# KiCad board panelized.kicad_pro.kicad_pcb (continued)
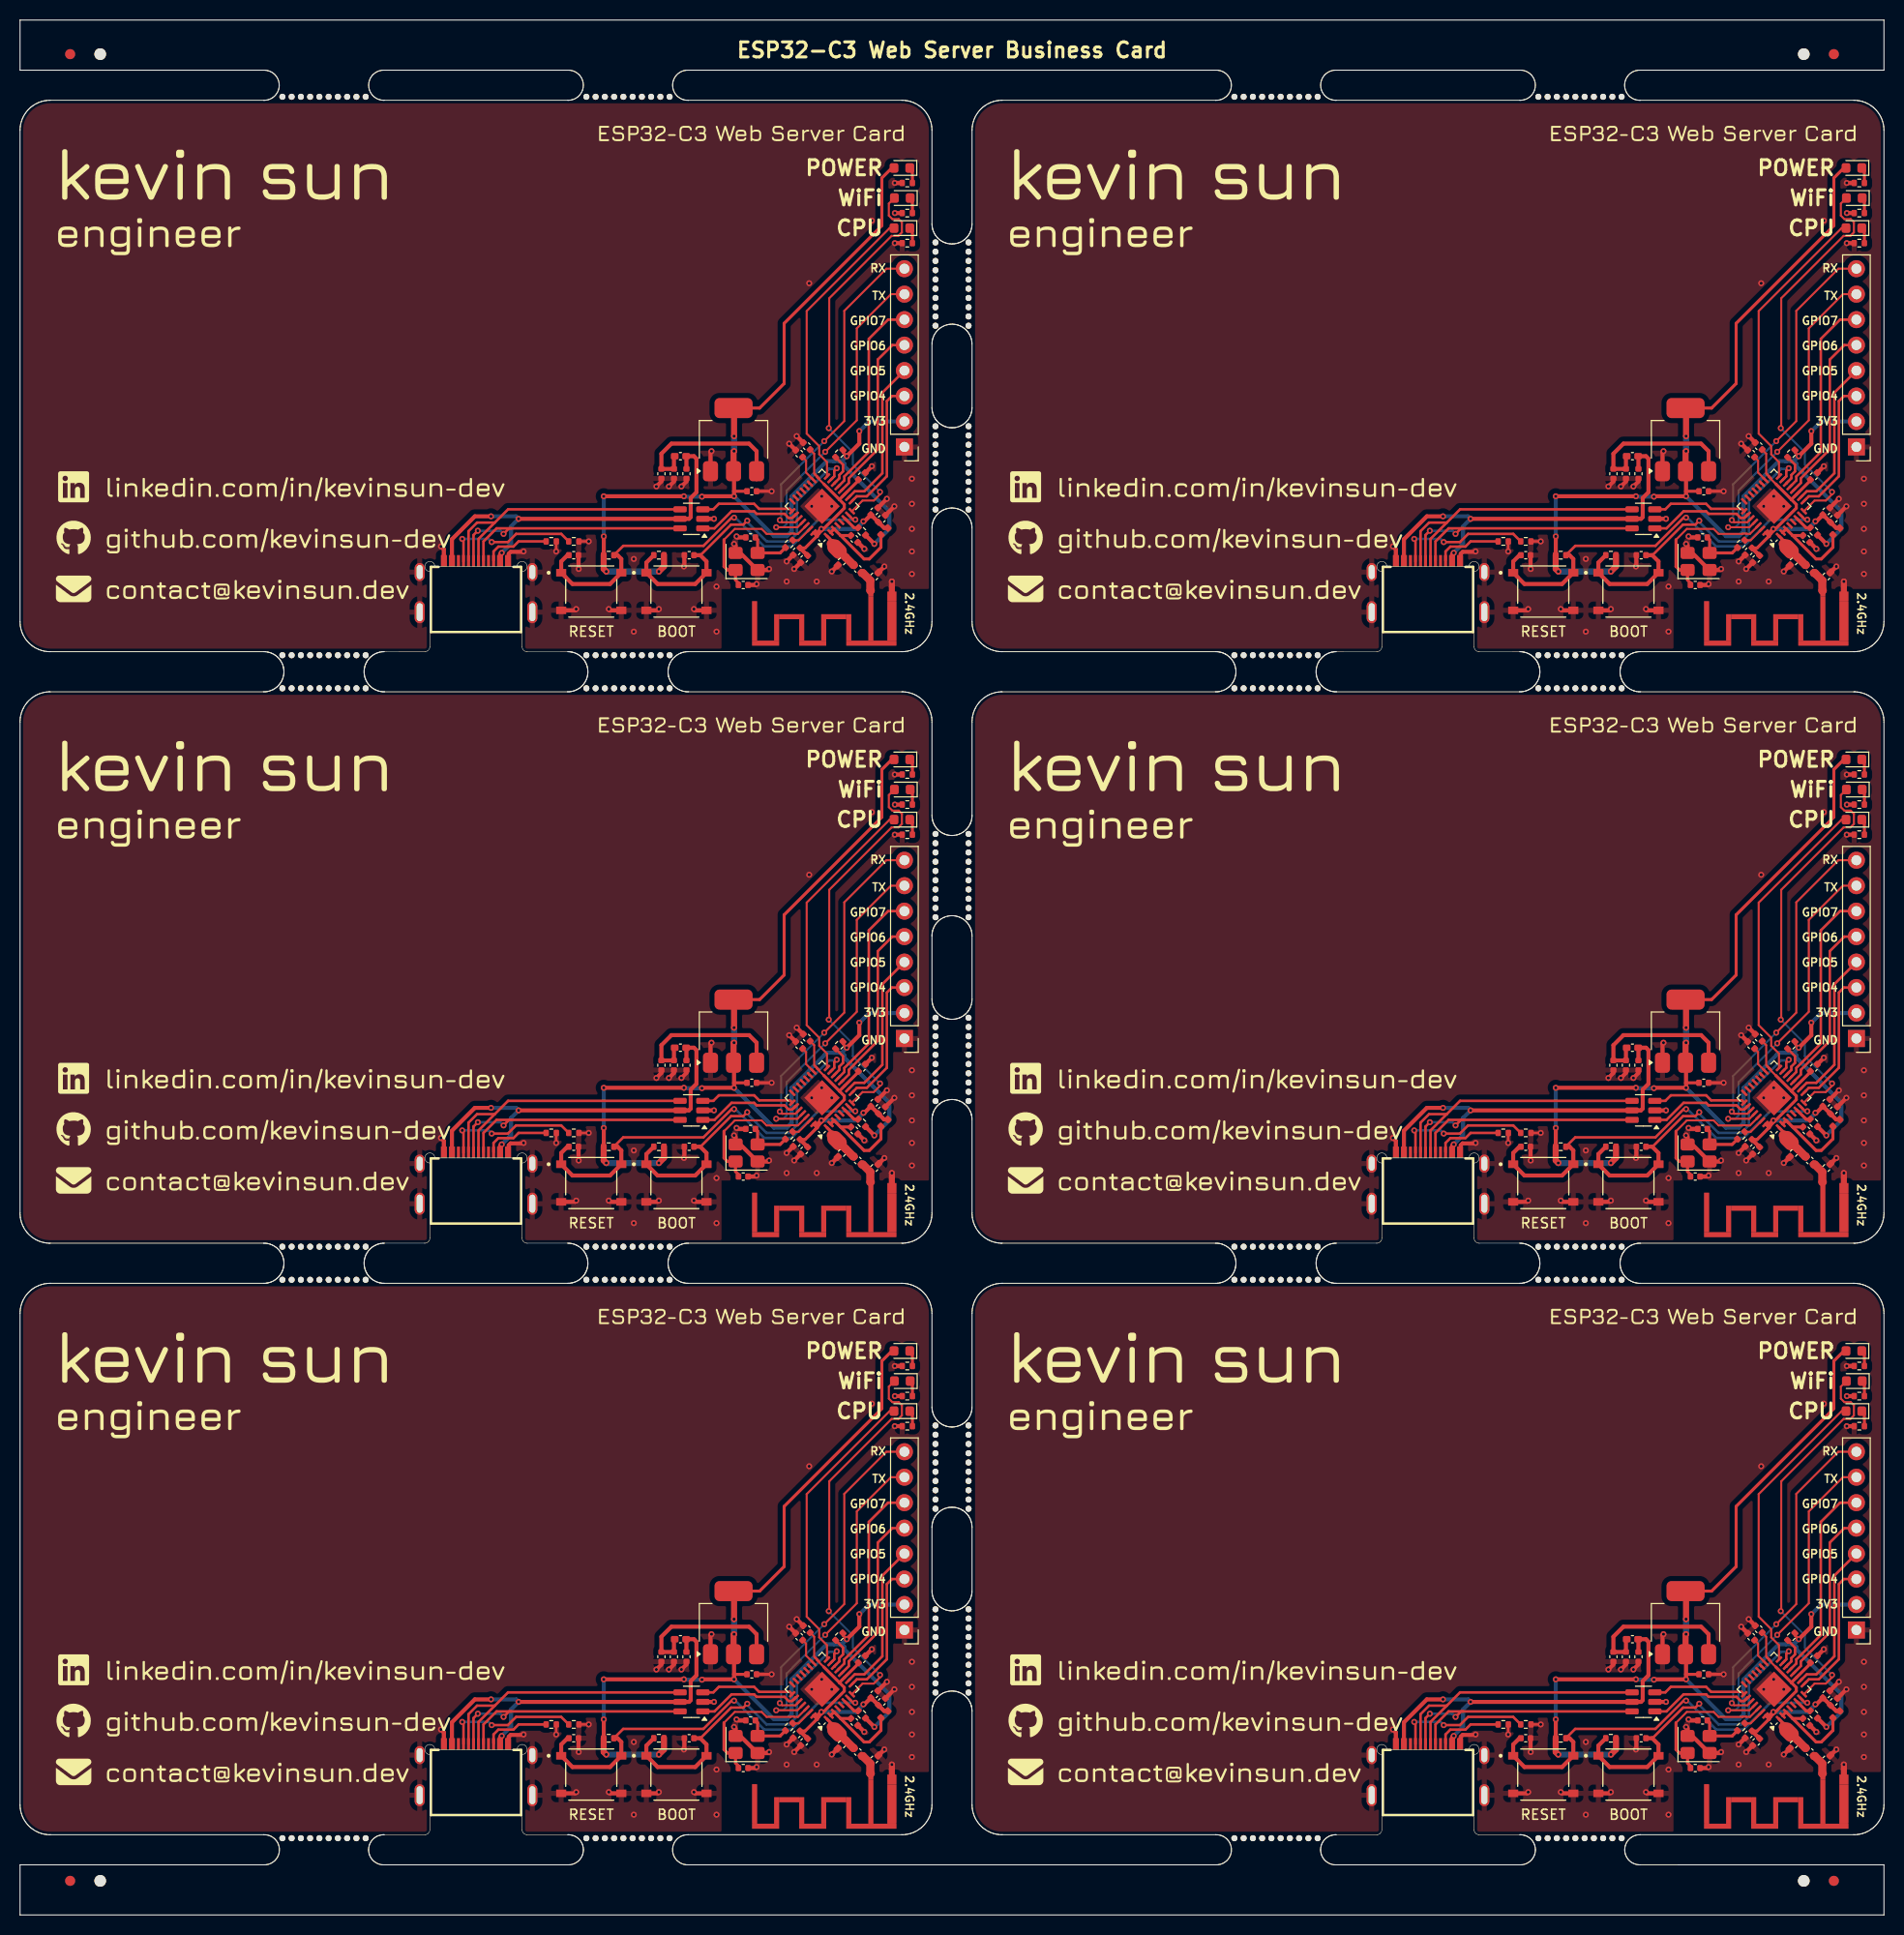
[diagram p0: board, top side]
## Placement (name value [footprint] x y rotation side) (continued)
KiKit_MB_22_8  -  [NPTH]  156.13 122.35 0 top
KiKit_MB_22_9  -  [NPTH]  157.05 122.35 0 top
KiKit_MB_22_10  -  [NPTH]  157.97 122.35 0 top
KiKit_MB_22_11  -  [NPTH]  158.9 122.35 0 top
KiKit_MB_22_12  -  [NPTH]  159.82 122.35 0 top
KiKit_MB_23_3  -  [NPTH]  129.49 66.65 0 top
KiKit_MB_23_4  -  [NPTH]  128.56 66.65 0 top
KiKit_MB_23_5  -  [NPTH]  127.64 66.65 0 top
KiKit_MB_23_6  -  [NPTH]  126.72 66.65 0 top
KiKit_MB_23_7  -  [NPTH]  125.79 66.65 0 top
KiKit_MB_23_8  -  [NPTH]  124.87 66.65 0 top
KiKit_MB_23_9  -  [NPTH]  123.95 66.65 0 top
KiKit_MB_23_10  -  [NPTH]  123.03 66.65 0 top
KiKit_MB_23_11  -  [NPTH]  122.1 66.65 0 top
KiKit_MB_23_12  -  [NPTH]  121.18 66.65 0 top
KiKit_MB_24_3  -  [NPTH]  159.82 66.65 0 top
KiKit_MB_24_4  -  [NPTH]  158.9 66.65 0 top
KiKit_MB_24_5  -  [NPTH]  157.97 66.65 0 top
KiKit_MB_24_6  -  [NPTH]  157.05 66.65 0 top
KiKit_MB_24_7  -  [NPTH]  156.13 66.65 0 top
KiKit_MB_24_8  -  [NPTH]  155.21 66.65 0 top
KiKit_MB_24_9  -  [NPTH]  154.28 66.65 0 top
KiKit_MB_24_10  -  [NPTH]  153.36 66.65 0 top
KiKit_MB_24_11  -  [NPTH]  152.44 66.65 0 top
KiKit_MB_24_12  -  [NPTH]  151.51 66.65 0 top
KiKit_MB_25_3  -  [NPTH]  91.35 48.82 0 top
KiKit_MB_25_4  -  [NPTH]  91.35 47.9 0 top
KiKit_MB_25_5  -  [NPTH]  91.35 46.98 0 top
KiKit_MB_25_6  -  [NPTH]  91.35 46.05 0 top
KiKit_MB_25_7  -  [NPTH]  91.35 45.13 0 top
KiKit_MB_25_8  -  [NPTH]  91.35 44.21 0 top
KiKit_MB_25_9  -  [NPTH]  91.35 43.28 0 top
KiKit_MB_25_10  -  [NPTH]  91.35 42.36 0 top
KiKit_MB_25_11  -  [NPTH]  91.35 41.44 0 top
KiKit_MB_25_12  -  [NPTH]  91.35 40.51 0 top
KiKit_MB_26_3  -  [NPTH]  91.35 30.49 0 top
KiKit_MB_26_4  -  [NPTH]  91.35 29.57 0 top
KiKit_MB_26_5  -  [NPTH]  91.35 28.64 0 top
KiKit_MB_26_6  -  [NPTH]  91.35 27.72 0 top
KiKit_MB_26_7  -  [NPTH]  91.35 26.8 0 top
KiKit_MB_26_8  -  [NPTH]  91.35 25.87 0 top
KiKit_MB_26_9  -  [NPTH]  91.35 24.95 0 top
KiKit_MB_26_10  -  [NPTH]  91.35 24.03 0 top
KiKit_MB_26_11  -  [NPTH]  91.35 23.1 0 top
KiKit_MB_26_12  -  [NPTH]  91.35 22.18 0 top
KiKit_MB_27_3  -  [NPTH]  26.18 63.35 0 top
KiKit_MB_27_4  -  [NPTH]  27.1 63.35 0 top
KiKit_MB_27_5  -  [NPTH]  28.03 63.35 0 top
KiKit_MB_27_6  -  [NPTH]  28.95 63.35 0 top
KiKit_MB_27_7  -  [NPTH]  29.87 63.35 0 top
KiKit_MB_27_8  -  [NPTH]  30.79 63.35 0 top
KiKit_MB_27_9  -  [NPTH]  31.72 63.35 0 top
KiKit_MB_27_10  -  [NPTH]  32.64 63.35 0 top
KiKit_MB_27_11  -  [NPTH]  33.56 63.35 0 top
KiKit_MB_27_12  -  [NPTH]  34.49 63.35 0 top
KiKit_MB_28_3  -  [NPTH]  56.51 63.35 0 top
KiKit_MB_28_4  -  [NPTH]  57.44 63.35 0 top
KiKit_MB_28_5  -  [NPTH]  58.36 63.35 0 top
KiKit_MB_28_6  -  [NPTH]  59.28 63.35 0 top
KiKit_MB_28_7  -  [NPTH]  60.21 63.35 0 top
KiKit_MB_28_8  -  [NPTH]  61.13 63.35 0 top
KiKit_MB_28_9  -  [NPTH]  62.05 63.35 0 top
KiKit_MB_28_10  -  [NPTH]  62.97 63.35 0 top
KiKit_MB_28_11  -  [NPTH]  63.9 63.35 0 top
KiKit_MB_28_12  -  [NPTH]  64.82 63.35 0 top
KiKit_MB_29_3  -  [NPTH]  34.49 7.65 0 top
KiKit_MB_29_4  -  [NPTH]  33.56 7.65 0 top
KiKit_MB_29_5  -  [NPTH]  32.64 7.65 0 top
KiKit_MB_29_6  -  [NPTH]  31.72 7.65 0 top
KiKit_MB_29_7  -  [NPTH]  30.79 7.65 0 top
KiKit_MB_29_8  -  [NPTH]  29.87 7.65 0 top
KiKit_MB_29_9  -  [NPTH]  28.95 7.65 0 top
KiKit_MB_29_10  -  [NPTH]  28.03 7.65 0 top
KiKit_MB_29_11  -  [NPTH]  27.1 7.65 0 top
KiKit_MB_29_12  -  [NPTH]  26.18 7.65 0 top
KiKit_MB_30_3  -  [NPTH]  64.82 7.65 0 top
KiKit_MB_30_4  -  [NPTH]  63.9 7.65 0 top
KiKit_MB_30_5  -  [NPTH]  62.97 7.65 0 top
KiKit_MB_30_6  -  [NPTH]  62.05 7.65 0 top
KiKit_MB_30_7  -  [NPTH]  61.13 7.65 0 top
KiKit_MB_30_8  -  [NPTH]  60.21 7.65 0 top
KiKit_MB_30_9  -  [NPTH]  59.28 7.65 0 top
KiKit_MB_30_10  -  [NPTH]  58.36 7.65 0 top
KiKit_MB_30_11  -  [NPTH]  57.44 7.65 0 top
KiKit_MB_30_12  -  [NPTH]  56.51 7.65 0 top
KiKit_MB_31_3  -  [NPTH]  94.65 40.51 0 top
KiKit_MB_31_4  -  [NPTH]  94.65 41.44 0 top
KiKit_MB_31_5  -  [NPTH]  94.65 42.36 0 top
KiKit_MB_31_6  -  [NPTH]  94.65 43.28 0 top
KiKit_MB_31_7  -  [NPTH]  94.65 44.21 0 top
KiKit_MB_31_8  -  [NPTH]  94.65 45.13 0 top
KiKit_MB_31_9  -  [NPTH]  94.65 46.05 0 top
KiKit_MB_31_10  -  [NPTH]  94.65 46.98 0 top
KiKit_MB_31_11  -  [NPTH]  94.65 47.9 0 top
KiKit_MB_31_12  -  [NPTH]  94.65 48.82 0 top
KiKit_MB_32_3  -  [NPTH]  94.65 22.18 0 top
KiKit_MB_32_4  -  [NPTH]  94.65 23.1 0 top
KiKit_MB_32_5  -  [NPTH]  94.65 24.03 0 top
KiKit_MB_32_6  -  [NPTH]  94.65 24.95 0 top
KiKit_MB_32_7  -  [NPTH]  94.65 25.87 0 top
KiKit_MB_32_8  -  [NPTH]  94.65 26.8 0 top
KiKit_MB_32_9  -  [NPTH]  94.65 27.72 0 top
KiKit_MB_32_10  -  [NPTH]  94.65 28.64 0 top
KiKit_MB_32_11  -  [NPTH]  94.65 29.57 0 top
KiKit_MB_32_12  -  [NPTH]  94.65 30.49 0 top
KiKit_MB_33_3  -  [NPTH]  121.18 63.35 0 top
KiKit_MB_33_4  -  [NPTH]  122.1 63.35 0 top
KiKit_MB_33_5  -  [NPTH]  123.03 63.35 0 top
KiKit_MB_33_6  -  [NPTH]  123.95 63.35 0 top
KiKit_MB_33_7  -  [NPTH]  124.87 63.35 0 top
KiKit_MB_33_8  -  [NPTH]  125.79 63.35 0 top
KiKit_MB_33_9  -  [NPTH]  126.72 63.35 0 top
KiKit_MB_33_10  -  [NPTH]  127.64 63.35 0 top
KiKit_MB_33_11  -  [NPTH]  128.56 63.35 0 top
KiKit_MB_33_12  -  [NPTH]  129.49 63.35 0 top
KiKit_MB_34_3  -  [NPTH]  151.51 63.35 0 top
KiKit_MB_34_4  -  [NPTH]  152.44 63.35 0 top
KiKit_MB_34_5  -  [NPTH]  153.36 63.35 0 top
KiKit_MB_34_6  -  [NPTH]  154.28 63.35 0 top
KiKit_MB_34_7  -  [NPTH]  155.21 63.35 0 top
KiKit_MB_34_8  -  [NPTH]  156.13 63.35 0 top
KiKit_MB_34_9  -  [NPTH]  157.05 63.35 0 top
KiKit_MB_34_10  -  [NPTH]  157.97 63.35 0 top
KiKit_MB_34_11  -  [NPTH]  158.9 63.35 0 top
KiKit_MB_34_12  -  [NPTH]  159.82 63.35 0 top
KiKit_MB_35_3  -  [NPTH]  129.49 7.65 0 top
KiKit_MB_35_4  -  [NPTH]  128.56 7.65 0 top
KiKit_MB_35_5  -  [NPTH]  127.64 7.65 0 top
KiKit_MB_35_6  -  [NPTH]  126.72 7.65 0 top
KiKit_MB_35_7  -  [NPTH]  125.79 7.65 0 top
KiKit_MB_35_8  -  [NPTH]  124.87 7.65 0 top
KiKit_MB_35_9  -  [NPTH]  123.95 7.65 0 top
KiKit_MB_35_10  -  [NPTH]  123.03 7.65 0 top
KiKit_MB_35_11  -  [NPTH]  122.1 7.65 0 top
KiKit_MB_35_12  -  [NPTH]  121.18 7.65 0 top
KiKit_MB_36_3  -  [NPTH]  159.82 7.65 0 top
KiKit_MB_36_4  -  [NPTH]  158.9 7.65 0 top
KiKit_MB_36_5  -  [NPTH]  157.97 7.65 0 top
KiKit_MB_36_6  -  [NPTH]  157.05 7.65 0 top
KiKit_MB_36_7  -  [NPTH]  156.13 7.65 0 top
KiKit_MB_36_8  -  [NPTH]  155.21 7.65 0 top
KiKit_MB_36_9  -  [NPTH]  154.28 7.65 0 top
KiKit_MB_36_10  -  [NPTH]  153.36 7.65 0 top
KiKit_MB_36_11  -  [NPTH]  152.44 7.65 0 top
KiKit_MB_36_12  -  [NPTH]  151.51 7.65 0 top
KiKit_TO_1  -  [NPTH#2]  8 185.6 0 top
KiKit_TO_2  -  [NPTH#2]  178 185.6 0 top
KiKit_TO_3  -  [NPTH#2]  8 3.4 0 top
KiKit_TO_4  -  [NPTH#2]  178 3.4 0 top
L1  2.4nH  [L_0402_1005Metric]  86.25 79 225 top
L1#2  2.4nH  [L_0402_1005Metric]  86.25 138 225 top
L1#3  2.4nH  [L_0402_1005Metric]  181.25 138 225 top
L1#4  2.4nH  [L_0402_1005Metric]  181.25 79 225 top
L1#5  2.4nH  [L_0402_1005Metric]  86.25 20 225 top
L1#6  2.4nH  [L_0402_1005Metric]  181.25 20 225 top
L2  2.4nH  [L_0402_1005Metric_Pad0.77x0.64mm_HandSolder]  83.6 75.25 315 top
L2#2  2.4nH  [L_0402_1005Metric_Pad0.77x0.64mm_HandSolder]  83.6 16.25 315 top
L2#3  2.4nH  [L_0402_1005Metric_Pad0.77x0.64mm_HandSolder]  83.6 134.25 315 top
L2#4  2.4nH  [L_0402_1005Metric_Pad0.77x0.64mm_HandSolder]  178.6 134.25 315 top
L2#5  2.4nH  [L_0402_1005Metric_Pad0.77x0.64mm_HandSolder]  178.6 75.25 315 top
L2#6  2.4nH  [L_0402_1005Metric_Pad0.77x0.64mm_HandSolder]  178.6 16.25 315 top
L3  2.4nH  [L_0402_1005Metric_Pad0.77x0.64mm_HandSolder]  160.9 27.5 180 top
L3#2  2.4nH  [L_0402_1005Metric_Pad0.77x0.64mm_HandSolder]  65.9 145.5 180 top
L3#3  2.4nH  [L_0402_1005Metric_Pad0.77x0.64mm_HandSolder]  65.9 86.5 180 top
L3#4  2.4nH  [L_0402_1005Metric_Pad0.77x0.64mm_HandSolder]  65.9 27.5 180 top
L3#5  2.4nH  [L_0402_1005Metric_Pad0.77x0.64mm_HandSolder]  160.9 86.5 180 top
L3#6  2.4nH  [L_0402_1005Metric_Pad0.77x0.64mm_HandSolder]  160.9 145.5 180 top
R1  5k1  [R_0402_1005Metric]  53.01 78 180 top
R1#2  5k1  [R_0402_1005Metric]  148.01 78 180 top
R1#3  5k1  [R_0402_1005Metric]  53.01 137 180 top
R1#4  5k1  [R_0402_1005Metric]  53.01 19 180 top
R1#5  5k1  [R_0402_1005Metric]  148.01 19 180 top
R1#6  5k1  [R_0402_1005Metric]  148.01 137 180 top
R2  5k1  [R_0402_1005Metric]  150.26 137 0 top
R2#2  5k1  [R_0402_1005Metric]  150.26 78 0 top
R2#3  5k1  [R_0402_1005Metric]  55.26 19 0 top
R2#4  5k1  [R_0402_1005Metric]  150.26 19 0 top
R2#5  5k1  [R_0402_1005Metric]  55.26 78 0 top
R2#6  5k1  [R_0402_1005Metric]  55.26 137 0 top
R3  5k1  [R_0402_1005Metric]  58.75 135.63 0 top
R3#2  5k1  [R_0402_1005Metric]  58.75 76.63 0 top
R3#3  5k1  [R_0402_1005Metric]  153.75 135.63 0 top
R3#4  5k1  [R_0402_1005Metric]  58.75 17.63 0 top
R3#5  5k1  [R_0402_1005Metric]  153.75 76.63 0 top
R3#6  5k1  [R_0402_1005Metric]  153.75 17.63 0 top
R4  5k1  [R_0402_1005Metric]  63.75 17.63 180 top
R4#2  5k1  [R_0402_1005Metric]  158.75 135.63 180 top
R4#3  5k1  [R_0402_1005Metric]  63.75 76.63 180 top
R4#4  5k1  [R_0402_1005Metric]  158.75 76.63 180 top
R4#5  5k1  [R_0402_1005Metric]  63.75 135.63 180 top
R4#6  5k1  [R_0402_1005Metric]  158.75 17.63 180 top
R5  1k  [R_0402_1005Metric]  76.75 77.75 225 top
R5#2  1k  [R_0402_1005Metric]  171.75 18.75 225 top
R5#3  1k  [R_0402_1005Metric]  76.75 136.75 225 top
R5#4  1k  [R_0402_1005Metric]  171.75 136.75 225 top
R5#5  1k  [R_0402_1005Metric]  171.75 77.75 225 top
R5#6  1k  [R_0402_1005Metric]  76.75 18.75 225 top
R6  5k1  [R_0402_1005Metric]  81.75 27.75 45 top
R6#2  5k1  [R_0402_1005Metric]  176.75 86.75 45 top
R6#3  5k1  [R_0402_1005Metric]  81.75 86.75 45 top
R6#4  5k1  [R_0402_1005Metric]  176.75 145.75 45 top
R6#5  5k1  [R_0402_1005Metric]  176.75 27.75 45 top
R6#6  5k1  [R_0402_1005Metric]  81.75 145.75 45 top
R7  5k1  [R_0402_1005Metric]  84 20 315 top
R7#2  5k1  [R_0402_1005Metric]  179 20 315 top
R7#3  5k1  [R_0402_1005Metric]  179 138 315 top
R7#4  5k1  [R_0402_1005Metric]  179 79 315 top
R7#5  5k1  [R_0402_1005Metric]  84 138 315 top
R7#6  5k1  [R_0402_1005Metric]  84 79 315 top
R8  1k  [R_0402_1005Metric]  183.54 113.75 180 top
R8#2  1k  [R_0402_1005Metric]  183.54 172.75 180 top
R8#3  1k  [R_0402_1005Metric]  88.54 172.75 180 top
R8#4  1k  [R_0402_1005Metric]  88.54 113.75 180 top
R8#5  1k  [R_0402_1005Metric]  183.54 54.75 180 top
R8#6  1k  [R_0402_1005Metric]  88.54 54.75 180 top
R9  1k  [R_0402_1005Metric]  88.54 51.75 180 top
R9#2  1k  [R_0402_1005Metric]  88.54 110.75 180 top
R9#3  1k  [R_0402_1005Metric]  183.54 110.75 180 top
R9#4  1k  [R_0402_1005Metric]  183.54 169.75 180 top
R9#5  1k  [R_0402_1005Metric]  183.54 51.75 180 top
R9#6  1k  [R_0402_1005Metric]  88.54 169.75 180 top
R10  1k  [R_0402_1005Metric]  183.54 48.75 180 top
R10#2  1k  [R_0402_1005Metric]  88.54 107.75 180 top
R10#3  1k  [R_0402_1005Metric]  183.54 107.75 180 top
R10#4  1k  [R_0402_1005Metric]  88.54 48.75 180 top
R10#5  1k  [R_0402_1005Metric]  88.54 166.75 180 top
R10#6  1k  [R_0402_1005Metric]  183.54 166.75 180 top
RESET  RESET  [SW_TS-1187A-B-A-B]  57 14 0 top
RESET#2  RESET  [SW_TS-1187A-B-A-B]  152 14 0 top
RESET#3  RESET  [SW_TS-1187A-B-A-B]  152 132 0 top
RESET#4  RESET  [SW_TS-1187A-B-A-B]  57 132 0 top
RESET#5  RESET  [SW_TS-1187A-B-A-B]  57 73 0 top
RESET#6  RESET  [SW_TS-1187A-B-A-B]  152 73 0 top
U1  ESP32-C3FH4  [QFN-32-1EP_5x5mm_P0.5mm_EP3.7x3.7mm]  80.03 81.51 135 top
U1#2  ESP32-C3FH4  [QFN-32-1EP_5x5mm_P0.5mm_EP3.7x3.7mm]  175.03 81.51 135 top
U1#3  ESP32-C3FH4  [QFN-32-1EP_5x5mm_P0.5mm_EP3.7x3.7mm]  80.03 22.51 135 top
U1#4  ESP32-C3FH4  [QFN-32-1EP_5x5mm_P0.5mm_EP3.7x3.7mm]  175.03 22.51 135 top
U1#5  ESP32-C3FH4  [QFN-32-1EP_5x5mm_P0.5mm_EP3.7x3.7mm]  175.03 140.51 135 top
U1#6  ESP32-C3FH4  [QFN-32-1EP_5x5mm_P0.5mm_EP3.7x3.7mm]  80.03 140.51 135 top
U3  USBLC6-2SC6  [SOT-23-6]  67 139.25 180 top
U3#2  USBLC6-2SC6  [SOT-23-6]  67 21.25 180 top
U3#3  USBLC6-2SC6  [SOT-23-6]  162 139.25 180 top
U3#4  USBLC6-2SC6  [SOT-23-6]  67 80.25 180 top
U3#5  USBLC6-2SC6  [SOT-23-6]  162 80.25 180 top
U3#6  USBLC6-2SC6  [SOT-23-6]  162 21.25 180 top
U4  AMS1117-3.3  [SOT-223-3_TabPin2]  71.2 29.15 90 top
U4#2  AMS1117-3.3  [SOT-223-3_TabPin2]  71.2 147.15 90 top
U4#3  AMS1117-3.3  [SOT-223-3_TabPin2]  166.2 88.15 90 top
U4#4  AMS1117-3.3  [SOT-223-3_TabPin2]  166.2 29.15 90 top
U4#5  AMS1117-3.3  [SOT-223-3_TabPin2]  71.2 88.15 90 top
U4#6  AMS1117-3.3  [SOT-223-3_TabPin2]  166.2 147.15 90 top
Y1  L327S400H11L  [Crystal_SMD_3225-4Pin_3.2x2.5mm]  72.5 17 0 top
Y1#2  L327S400H11L  [Crystal_SMD_3225-4Pin_3.2x2.5mm]  167.5 76 0 top
Y1#3  L327S400H11L  [Crystal_SMD_3225-4Pin_3.2x2.5mm]  72.5 76 0 top
Y1#4  L327S400H11L  [Crystal_SMD_3225-4Pin_3.2x2.5mm]  167.5 17 0 top
Y1#5  L327S400H11L  [Crystal_SMD_3225-4Pin_3.2x2.5mm]  72.5 135 0 top
Y1#6  L327S400H11L  [Crystal_SMD_3225-4Pin_3.2x2.5mm]  167.5 135 0 top

## Library data of the parts
BOOT BOOT#2-BOOT#6 RESET RESET#2-RESET#6 = -: Description: Push button switch, generic, two pins; JLCPCB: C318884
C1 C1#2-C1#6 C2 C2#2-C2#6 C5 C5#2-C5#6 C6 C6#2-C6#6 C13 C13#2-C13#6 C14 C14#2-C14#6 C17 C17#2-C17#6 C18 C18#2-C18#6 = -: Description: Unpolarized capacitor; JLCPCB: C1525
C3 C3#2-C3#6 C15 C15#2-C15#6 C16 C16#2-C16#6 = -: Description: Unpolarized capacitor; JLCPCB: C15525
C4 C4#2-C4#6 C7 C7#2-C7#6 = -: Description: Unpolarized capacitor; JLCPCB: C52923
C8 C8#2-C8#6 = -: Description: Unpolarized capacitor; JLCPCB: C15195
C11 C11#2-C11#6 C12 C12#2-C12#6 = -: Description: Unpolarized capacitor; JLCPCB: C1552
D1 D1#2-D1#6 = -: Description: Light emitting diode; Sim.Pins: 1=K 2=A; JLCPCB: C2286
D2 D2#2-D2#6 = -: Description: Light emitting diode; Sim.Pins: 1=K 2=A; JLCPCB: C2290
D3 D3#2-D3#6 = -: Description: Light emitting diode; Sim.Pins: 1=K 2=A; JLCPCB: C89811
J1 = -: Datasheet: https://item.szlcsc.com/datasheet/TYPE-C60230-511-SC16/44352731.html; Description: Connector Type:Type-C Protocol Standard:USB 3.1 Gender:Female Mounting Type:Recessed Mount Number of Contacts:16P Number of Ports:1 Current Rating-Power:5A Voltage Rating:5V Connect-Disconnect Life:10,000 Cycles Center Height:- Length:6.5mm Detection colo; Manufacturer Part: TYPE-C60230-511-SC16; Manufacturer: HMTCONN(华明通); LCSC Part Name: Type-C 母 沉板; LCSC: C42400507
J1#2-J1#6 = -: Datasheet: https://item.szlcsc.com/datasheet/TYPE-C60230-511-SC16/44352731.html; Description: Connector Type:Type-C Protocol Standard:USB 3.1 Gender:Female Mounting Type:Recessed Mount Number of Contacts:16P Number of Ports:1 Current Rating-Power:5A Voltage Rating:5V Connect-Disconnect Life:10,000 Cycles Center Height:- Length:6.5mm Detection colo; Manufacturer Part: TYPE-C60230-511-SC16; Manufacturer: HMTCONN(华明通); LCSC Part Name: Type-C 母 沉板
J2 J2#2-J2#6 = -: Description: Generic connector, single row, 01x08, script generated
L1 L1#2-L1#6 L2 L2#2-L2#6 L3 L3#2-L3#6 = -: Description: Inductor; JLCPCB: C97997
R1 R1#2-R1#6 R2 R2#2-R2#6 R3 R3#2-R3#6 R4 R4#2-R4#6 R6 R6#2-R6#6 R7 R7#2-R7#6 = -: Description: Resistor; JLCPCB: C25905
R5 R5#2-R5#6 R8 R8#2-R8#6 R9 R9#2-R9#6 R10 R10#2-R10#6 = -: JLCPCB: C11702
U1 U1#2-U1#6 = -: Datasheet: https://www.espressif.com/sites/default/files/documentation/esp32-c3_datasheet_en.pdf; Description: RF Module, ESP32 SoC, RISC-V, WiFi 802.11b/n/g, Bluetooth LE 5, QFN32; JLCPCB: C2858491
U3 U3#2-U3#6 = -: Datasheet: https://www.st.com/resource/en/datasheet/usblc6-2.pdf; Description: Very low capacitance ESD protection diode, 2 data-line, SOT-23-6; JLCPCB: C2687116
U4 U4#2-U4#6 = -: Datasheet: http://www.advanced-monolithic.com/pdf/ds1117.pdf; Description: 1A Low Dropout regulator, positive, 3.3V fixed output, SOT-223; JLCPCB: C6186
Y1 Y1#2-Y1#6 = -: Description: 40MHz Crystal Oscillator; JLCPCB: C5261245

## Footprints (pads in the part's own frame, mm; a bottom-side part is the same pattern mirrored in y, then rotated)
C_0402_1005Metric
  rrect 0.56x0.62 smd: 1(-0.48,0) 2(0.48,0)
C_0402_1005Metric_Pad0.74x0.62mm_HandSolder
  rrect 0.735x0.62 smd: 1(-0.568,0) 2(0.568,0)
Crystal_SMD_3225-4Pin_3.2x2.5mm
  rrect 1.4x1.2 smd: 1(-1.1,-0.85) 2(1.1,-0.85) 3(1.1,0.85) 4(-1.1,0.85)
Fiducial
  round 1 smd: (0,0)
L_0402_1005Metric
  rrect 0.59x0.64 smd: 1(-0.485,0) 2(0.485,0)
L_0402_1005Metric_Pad0.77x0.64mm_HandSolder
  rrect 0.765x0.64 smd: 1(-0.573,0) 2(0.573,0)
LED_0603_1608Metric
  rrect 0.875x0.95 smd: 1(-0.787,0) 2(0.787,0)
NPTH
  round 0.6 hole 0.6 unplated: (0,0)
NPTH#2
  round 1.152 hole 1.152 unplated: (0,0)
pcb-antenna
  rect 0.5x0.5 smd: 1(2.1,0)
  rect 0.9x1 smd: 2(0,0.25)
PinHeader_1x08_P2.54mm_Vertical
  rect 1.7x1.7 hole 1: 1(0,0)
  round 1.7 hole 1: 2(0,-2.54) 3(0,-5.08) 4(0,-7.62) 5(0,-10.16) 6(0,-12.7) 7(0,-15.24) 8(0,-17.78)
QFN-32-1EP_5x5mm_P0.5mm_EP3.7x3.7mm
  rrect 1.2x1.2 smd: (-0.615,-0.615) (-0.571,0.571) (0.642,0.642) (0.642,-0.642)
  rrect 0.8x0.25 smd: 1(-2.45,1.75) 2(-2.45,1.25) 3(-2.45,0.75) 4(-2.45,0.25) 5(-2.45,-0.25) 6(-2.45,-0.75) 7(-2.45,-1.25) 8(-2.45,-1.75) 17(2.45,-1.75) 18(2.45,-1.25) 19(2.45,-0.75) 20(2.45,-0.25) 21(2.45,0.25) 22(2.45,0.75) 23(2.45,1.25) 24(2.45,1.75)
  rrect 0.25x0.8 smd: 9(-1.75,-2.45) 10(-1.25,-2.45) 11(-0.75,-2.45) 12(-0.25,-2.45) 13(0.25,-2.45) 14(0.75,-2.45) 15(1.25,-2.45) 16(1.75,-2.45) 25(1.75,2.45) 26(1.25,2.45) 27(0.75,2.45) 28(0.25,2.45) 29(-0.25,2.45) 30(-0.75,2.45) 31(-1.25,2.45) 32(-1.75,2.45)
  rect 2.5x2.5 smd: 33(0,0)
R_0402_1005Metric
  rrect 0.54x0.64 smd: 1(-0.51,0) 2(0.51,0)
SOT-23-6
  rrect 1.325x0.6 smd: 1(-1.137,0.95) 2(-1.137,0) 3(-1.137,-0.95) 4(1.137,-0.95) 5(1.137,0) 6(1.137,0.95)
SOT-223-3_TabPin2
  rrect 2x1.5 smd: 1(-3.15,2.3) 2(-3.15,0) 3(-3.15,-2.3)
  rrect 2x3.8 smd: 2(3.15,0)
SW_TS-1187A-B-A-B
  rect 1x0.75 smd: 1(-3,1.875) 1(3,1.875) 2(-3,-1.875) 2(3,-1.875)
USB-C-SMD_TYPE-C60230-511-SC16
  oval 1x1.8 hole 0.6x1.4: 1(-5.62,1.44) 2(5.62,1.44)
  oval 1x2.2 hole 0.6x1.8: 3(-5.62,-2.56) 4(5.62,-2.56)
  rect 0.6x1.15 smd: A1B12(-3.2,2.56) A4B9(-2.4,2.56) B1A12(3.2,2.56) B4A9(2.4,2.56)
  rect 0.3x1.15 smd: A5(-1.25,2.56) A6(-0.25,2.56) A7(0.25,2.56) A8(1.25,2.56) B5(1.75,2.56) B6(0.75,2.56) B7(-0.75,2.56) B8(-1.75,2.56)

## Nets
Board_0-/VBUS: C13#3.1 J1#4.A4B9 J1#4.B4A9 L3#2.1 U3.5
Board_0-/VDD_SPI: C4#6.1 U1#6.18
Board_1-/VBUS: C13#4.1 J1#6.A4B9 J1#6.B4A9 L3#6.1 U3#3.5
Board_1-/VDD_SPI: C4#2.1 U1#5.18
Board_2-/VBUS: C13.1 J1.A4B9 J1.B4A9 L3#3.1 U3#4.5
Board_2-/VDD_SPI: C4#5.1 U1.18
Board_3-/VBUS: C13#6.1 J1#3.A4B9 J1#3.B4A9 L3#5.1 U3#5.5
Board_3-/VDD_SPI: C4.1 U1#2.18
Board_4-/VBUS: C13#5.1 J1#2.A4B9 J1#2.B4A9 L3#4.1 U3#2.5
Board_4-/VDD_SPI: C4#4.1 U1#3.18
Board_5-/VBUS: C13#2.1 J1#5.A4B9 J1#5.B4A9 L3.1 U3#6.5
Board_5-/VDD_SPI: C4#3.1 U1#4.18
Board_0-+3.3V: C2#5.1 C3#4.1 C5#6.1 C6#4.1 C7.1 C8#6.1 L1#2.1 U1#6.11 U1#6.17 U1#6.31 U1#6.32
Board_0-+3V3: C16.1 D1#2.2 J2#2.2 R3.1 R4#5.1 R6#6.2 R7#5.2 U4#2.2
Board_0-/BOOTSEL: BOOT.1 C18#5.1 R4#5.2 U1#6.15
Board_0-/CHIP_EN: C17#6.1 R3.2 RESET#4.1 U1#6.7
Board_0-/GP2: R7#5.1 U1#6.6
Board_0-/GP8: R6#6.1 U1#6.14
Board_0-/LED_A: D2.2 U1#6.8
Board_0-/LED_B: D3#5.2 U1#6.16
Board_0-/LNA_IN: C12#4.1 L2#3.1 U1#6.1
Board_0-/MTCK: J2#2.5 U1#6.12
Board_0-/MTDI: J2#2.4 U1#6.10
Board_0-/MTDO: J2#2.6 U1#6.13
Board_0-/MTMS: J2#2.3 U1#6.9
Board_0-/U0RXD: J2#2.8 U1#6.27
Board_0-/U0TXD: J2#2.7 U1#6.28
Board_0-/USB_DN: U1#6.25 U3.3
Board_0-/USB_DP: U1#6.26 U3.1
Board_0-/XTAL_N: C9#3.1 U1#6.29 Y1#5.1
Board_0-/XTAL_P: R5#3.1 U1#6.30
Board_0-GND: 2.4GHz#4.2 BOOT.2 C1.2 C2#5.2 C3#4.2 C4#6.2 C5#6.2 C6#4.2 C7.2 C8#6.2 C9#3.2 C10.2 C11#3.2 C12#4.2 C13#3.2 C14#4.2 C15#3.2 C16.2 C17#6.2 C18#5.2 J1#4.1 J1#4.2 J1#4.3 J1#4.4 J1#4.A1B12 J1#4.B1A12 J2#2.1 R1#3.1 R2#6.2 R8#3.2 R9#6.2 R10#5.2 RESET#4.2 U1#6.33 U3.2 U4#2.1 Y1#5.2 Y1#5.4
Board_0-Net-(AE1-FEED): 2.4GHz#4.1 C11#3.1 L2#3.2
Board_0-Net-(C1-Pad1): C1.1 L1#2.2 U1#6.2 U1#6.3
Board_0-Net-(C10-Pad1): C10.1 R5#3.2 Y1#5.3
Board_0-Net-(D1-K): D1#2.1 R8#3.1
Board_0-Net-(D2-K): D2.1 R9#6.1
Board_0-Net-(D3-K): D3#5.1 R10#5.1
Board_0-Net-(J1-CC1): J1#4.A5 R2#6.1
Board_0-Net-(J1-CC2): J1#4.B5 R1#3.2
Board_0-Net-(J1-DN1): J1#4.A7 J1#4.B7 U3.4
Board_0-Net-(J1-DP1): J1#4.A6 J1#4.B6 U3.6
Board_0-Net-(U4-VI): C14#4.1 C15#3.1 L3#2.2 U4#2.3
Board_0-unconnected-(J1-SBU1-PadA8): J1#4.A8
Board_0-unconnected-(J1-SBU2-PadB8): J1#4.B8
Board_0-unconnected-(U1-SPICLK-Pad22): U1#6.22
Board_0-unconnected-(U1-SPICS0-Pad21): U1#6.21
Board_0-unconnected-(U1-SPID-Pad23): U1#6.23
Board_0-unconnected-(U1-SPIHD-Pad19): U1#6.19
Board_0-unconnected-(U1-SPIQ-Pad24): U1#6.24
Board_0-unconnected-(U1-SPIWP-Pad20): U1#6.20
Board_0-unconnected-(U1-XTAL_32K_N-Pad5): U1#6.5
Board_0-unconnected-(U1-XTAL_32K_P-Pad4): U1#6.4
Board_1-+3.3V: C2#3.1 C3#2.1 C5#2.1 C6#5.1 C7#3.1 C8#2.1 L1#3.1 U1#5.11 U1#5.17 U1#5.31 U1#5.32
Board_1-+3V3: C16#4.1 D1.2 J2.2 R3#3.1 R4#2.1 R6#4.2 R7#3.2 U4#6.2
Board_1-/BOOTSEL: BOOT#4.1 C18#2.1 R4#2.2 U1#5.15
Board_1-/CHIP_EN: C17#5.1 R3#3.2 RESET#3.1 U1#5.7
Board_1-/GP2: R7#3.1 U1#5.6
Board_1-/GP8: R6#4.1 U1#5.14
Board_1-/LED_A: D2#6.2 U1#5.8
Board_1-/LED_B: D3#3.2 U1#5.16
Board_1-/LNA_IN: C12#3.1 L2#4.1 U1#5.1
Board_1-/MTCK: J2.5 U1#5.12
Board_1-/MTDI: J2.4 U1#5.10
Board_1-/MTDO: J2.6 U1#5.13
Board_1-/MTMS: J2.3 U1#5.9
Board_1-/U0RXD: J2.8 U1#5.27
Board_1-/U0TXD: J2.7 U1#5.28
Board_1-/USB_DN: U1#5.25 U3#3.3
Board_1-/USB_DP: U1#5.26 U3#3.1
Board_1-/XTAL_N: C9#6.1 U1#5.29 Y1#6.1
Board_1-/XTAL_P: R5#4.1 U1#5.30
Board_1-GND: 2.4GHz#3.2 BOOT#4.2 C1#2.2 C2#3.2 C3#2.2 C4#2.2 C5#2.2 C6#5.2 C7#3.2 C8#2.2 C9#6.2 C10#3.2 C11#5.2 C12#3.2 C13#4.2 C14.2 C15#4.2 C16#4.2 C17#5.2 C18#2.2 J1#6.1 J1#6.2 J1#6.3 J1#6.4 J1#6.A1B12 J1#6.B1A12 J2.1 R1#6.1 R2.2 R8#2.2 R9#4.2 R10#6.2 RESET#3.2 U1#5.33 U3#3.2 U4#6.1 Y1#6.2 Y1#6.4
Board_1-Net-(AE1-FEED): 2.4GHz#3.1 C11#5.1 L2#4.2
Board_1-Net-(C1-Pad1): C1#2.1 L1#3.2 U1#5.2 U1#5.3
Board_1-Net-(C10-Pad1): C10#3.1 R5#4.2 Y1#6.3
Board_1-Net-(D1-K): D1.1 R8#2.1
Board_1-Net-(D2-K): D2#6.1 R9#4.1
Board_1-Net-(D3-K): D3#3.1 R10#6.1
Board_1-Net-(J1-CC1): J1#6.A5 R2.1
Board_1-Net-(J1-CC2): J1#6.B5 R1#6.2
Board_1-Net-(J1-DN1): J1#6.A7 J1#6.B7 U3#3.4
Board_1-Net-(J1-DP1): J1#6.A6 J1#6.B6 U3#3.6
Board_1-Net-(U4-VI): C14.1 C15#4.1 L3#6.2 U4#6.3
Board_1-unconnected-(J1-SBU1-PadA8): J1#6.A8
Board_1-unconnected-(J1-SBU2-PadB8): J1#6.B8
Board_1-unconnected-(U1-SPICLK-Pad22): U1#5.22
Board_1-unconnected-(U1-SPICS0-Pad21): U1#5.21
Board_1-unconnected-(U1-SPID-Pad23): U1#5.23
Board_1-unconnected-(U1-SPIHD-Pad19): U1#5.19
Board_1-unconnected-(U1-SPIQ-Pad24): U1#5.24
Board_1-unconnected-(U1-SPIWP-Pad20): U1#5.20
Board_1-unconnected-(U1-XTAL_32K_N-Pad5): U1#5.5
Board_1-unconnected-(U1-XTAL_32K_P-Pad4): U1#5.4
Board_2-+3.3V: C2#6.1 C3#5.1 C5#4.1 C6#3.1 C7#5.1 C8#3.1 L1.1 U1.11 U1.17 U1.31 U1.32
Board_2-+3V3: C16#2.1 D1#3.2 J2#5.2 R3#2.1 R4#3.1 R6#3.2 R7#6.2 U4#5.2
Board_2-/BOOTSEL: BOOT#3.1 C18#3.1 R4#3.2 U1.15
Board_2-/CHIP_EN: C17#2.1 R3#2.2 RESET#5.1 U1.7
Board_2-/GP2: R7#6.1 U1.6
Board_2-/GP8: R6#3.1 U1.14
Board_2-/LED_A: D2#4.2 U1.8
Board_2-/LED_B: D3#4.2 U1.16
Board_2-/LNA_IN: C12#6.1 L2.1 U1.1
Board_2-/MTCK: J2#5.5 U1.12
Board_2-/MTDI: J2#5.4 U1.10
Board_2-/MTDO: J2#5.6 U1.13
Board_2-/MTMS: J2#5.3 U1.9
Board_2-/U0RXD: J2#5.8 U1.27
Board_2-/U0TXD: J2#5.7 U1.28
Board_2-/USB_DN: U1.25 U3#4.3
Board_2-/USB_DP: U1.26 U3#4.1
Board_2-/XTAL_N: C9#4.1 U1.29 Y1#3.1
Board_2-/XTAL_P: R5.1 U1.30
Board_2-GND: 2.4GHz.2 BOOT#3.2 C1#4.2 C2#6.2 C3#5.2 C4#5.2 C5#4.2 C6#3.2 C7#5.2 C8#3.2 C9#4.2 C10#6.2 C11#4.2 C12#6.2 C13.2 C14#6.2 C15#2.2 C16#2.2 C17#2.2 C18#3.2 J1.1 J1.2 J1.3 J1.4 J1.A1B12 J1.B1A12 J2#5.1 R1.1 R2#5.2 R8#4.2 R9#2.2 R10#2.2 RESET#5.2 U1.33 U3#4.2 U4#5.1 Y1#3.2 Y1#3.4
Board_2-Net-(AE1-FEED): 2.4GHz.1 C11#4.1 L2.2
Board_2-Net-(C1-Pad1): C1#4.1 L1.2 U1.2 U1.3
Board_2-Net-(C10-Pad1): C10#6.1 R5.2 Y1#3.3
Board_2-Net-(D1-K): D1#3.1 R8#4.1
Board_2-Net-(D2-K): D2#4.1 R9#2.1
Board_2-Net-(D3-K): D3#4.1 R10#2.1
Board_2-Net-(J1-CC1): J1.A5 R2#5.1
Board_2-Net-(J1-CC2): J1.B5 R1.2
Board_2-Net-(J1-DN1): J1.A7 J1.B7 U3#4.4
Board_2-Net-(J1-DP1): J1.A6 J1.B6 U3#4.6
Board_2-Net-(U4-VI): C14#6.1 C15#2.1 L3#3.2 U4#5.3
Board_2-unconnected-(J1-SBU1-PadA8): J1.A8
Board_2-unconnected-(J1-SBU2-PadB8): J1.B8
Board_2-unconnected-(U1-SPICLK-Pad22): U1.22
Board_2-unconnected-(U1-SPICS0-Pad21): U1.21
Board_2-unconnected-(U1-SPID-Pad23): U1.23
Board_2-unconnected-(U1-SPIHD-Pad19): U1.19
Board_2-unconnected-(U1-SPIQ-Pad24): U1.24
Board_2-unconnected-(U1-SPIWP-Pad20): U1.20
Board_2-unconnected-(U1-XTAL_32K_N-Pad5): U1.5
Board_2-unconnected-(U1-XTAL_32K_P-Pad4): U1.4
Board_3-+3.3V: C2.1 C3.1 C5#5.1 C6#6.1 C7#6.1 C8#4.1 L1#4.1 U1#2.11 U1#2.17 U1#2.31 U1#2.32
Board_3-+3V3: C16#6.1 D1#6.2 J2#4.2 R3#5.1 R4#4.1 R6#2.2 R7#4.2 U4#3.2
Board_3-/BOOTSEL: BOOT#5.1 C18#6.1 R4#4.2 U1#2.15
Board_3-/CHIP_EN: C17#4.1 R3#5.2 RESET#6.1 U1#2.7
Board_3-/GP2: R7#4.1 U1#2.6
Board_3-/GP8: R6#2.1 U1#2.14
Board_3-/LED_A: D2#5.2 U1#2.8
Board_3-/LED_B: D3.2 U1#2.16
Board_3-/LNA_IN: C12#2.1 L2#5.1 U1#2.1
Board_3-/MTCK: J2#4.5 U1#2.12
Board_3-/MTDI: J2#4.4 U1#2.10
Board_3-/MTDO: J2#4.6 U1#2.13
Board_3-/MTMS: J2#4.3 U1#2.9
Board_3-/U0RXD: J2#4.8 U1#2.27
Board_3-/U0TXD: J2#4.7 U1#2.28
Board_3-/USB_DN: U1#2.25 U3#5.3
Board_3-/USB_DP: U1#2.26 U3#5.1
Board_3-/XTAL_N: C9#2.1 U1#2.29 Y1#2.1
Board_3-/XTAL_P: R5#5.1 U1#2.30
Board_3-GND: 2.4GHz#2.2 BOOT#5.2 C1#5.2 C2.2 C3.2 C4.2 C5#5.2 C6#6.2 C7#6.2 C8#4.2 C9#2.2 C10#2.2 C11#6.2 C12#2.2 C13#6.2 C14#3.2 C15.2 C16#6.2 C17#4.2 C18#6.2 J1#3.1 J1#3.2 J1#3.3 J1#3.4 J1#3.A1B12 J1#3.B1A12 J2#4.1 R1#2.1 R2#2.2 R8.2 R9#3.2 R10#3.2 RESET#6.2 U1#2.33 U3#5.2 U4#3.1 Y1#2.2 Y1#2.4
Board_3-Net-(AE1-FEED): 2.4GHz#2.1 C11#6.1 L2#5.2
Board_3-Net-(C1-Pad1): C1#5.1 L1#4.2 U1#2.2 U1#2.3
Board_3-Net-(C10-Pad1): C10#2.1 R5#5.2 Y1#2.3
Board_3-Net-(D1-K): D1#6.1 R8.1
Board_3-Net-(D2-K): D2#5.1 R9#3.1
Board_3-Net-(D3-K): D3.1 R10#3.1
Board_3-Net-(J1-CC1): J1#3.A5 R2#2.1
Board_3-Net-(J1-CC2): J1#3.B5 R1#2.2
Board_3-Net-(J1-DN1): J1#3.A7 J1#3.B7 U3#5.4
Board_3-Net-(J1-DP1): J1#3.A6 J1#3.B6 U3#5.6
Board_3-Net-(U4-VI): C14#3.1 C15.1 L3#5.2 U4#3.3
Board_3-unconnected-(J1-SBU1-PadA8): J1#3.A8
Board_3-unconnected-(J1-SBU2-PadB8): J1#3.B8
Board_3-unconnected-(U1-SPICLK-Pad22): U1#2.22
Board_3-unconnected-(U1-SPICS0-Pad21): U1#2.21
Board_3-unconnected-(U1-SPID-Pad23): U1#2.23
Board_3-unconnected-(U1-SPIHD-Pad19): U1#2.19
Board_3-unconnected-(U1-SPIQ-Pad24): U1#2.24
Board_3-unconnected-(U1-SPIWP-Pad20): U1#2.20
Board_3-unconnected-(U1-XTAL_32K_N-Pad5): U1#2.5
Board_3-unconnected-(U1-XTAL_32K_P-Pad4): U1#2.4
Board_4-+3.3V: C2#4.1 C3#3.1 C5.1 C6.1 C7#2.1 C8.1 L1#5.1 U1#3.11 U1#3.17 U1#3.31 U1#3.32
Board_4-+3V3: C16#3.1 D1#5.2 J2#3.2 R3#4.1 R4.1 R6.2 R7.2 U4.2
Board_4-/BOOTSEL: BOOT#2.1 C18.1 R4.2 U1#3.15
Board_4-/CHIP_EN: C17.1 R3#4.2 RESET.1 U1#3.7
Board_4-/GP2: R7.1 U1#3.6
Board_4-/GP8: R6.1 U1#3.14
Board_4-/LED_A: D2#3.2 U1#3.8
Board_4-/LED_B: D3#2.2 U1#3.16
Board_4-/LNA_IN: C12#5.1 L2#2.1 U1#3.1
Board_4-/MTCK: J2#3.5 U1#3.12
Board_4-/MTDI: J2#3.4 U1#3.10
Board_4-/MTDO: J2#3.6 U1#3.13
Board_4-/MTMS: J2#3.3 U1#3.9
Board_4-/U0RXD: J2#3.8 U1#3.27
Board_4-/U0TXD: J2#3.7 U1#3.28
Board_4-/USB_DN: U1#3.25 U3#2.3
Board_4-/USB_DP: U1#3.26 U3#2.1
Board_4-/XTAL_N: C9#5.1 U1#3.29 Y1.1
Board_4-/XTAL_P: R5#6.1 U1#3.30
Board_4-GND: 2.4GHz#5.2 BOOT#2.2 C1#3.2 C2#4.2 C3#3.2 C4#4.2 C5.2 C6.2 C7#2.2 C8.2 C9#5.2 C10#4.2 C11.2 C12#5.2 C13#5.2 C14#5.2 C15#6.2 C16#3.2 C17.2 C18.2 J1#2.1 J1#2.2 J1#2.3 J1#2.4 J1#2.A1B12 J1#2.B1A12 J2#3.1 R1#4.1 R2#3.2 R8#6.2 R9.2 R10#4.2 RESET.2 U1#3.33 U3#2.2 U4.1 Y1.2 Y1.4
Board_4-Net-(AE1-FEED): 2.4GHz#5.1 C11.1 L2#2.2
Board_4-Net-(C1-Pad1): C1#3.1 L1#5.2 U1#3.2 U1#3.3
Board_4-Net-(C10-Pad1): C10#4.1 R5#6.2 Y1.3
Board_4-Net-(D1-K): D1#5.1 R8#6.1
Board_4-Net-(D2-K): D2#3.1 R9.1
Board_4-Net-(D3-K): D3#2.1 R10#4.1
Board_4-Net-(J1-CC1): J1#2.A5 R2#3.1
Board_4-Net-(J1-CC2): J1#2.B5 R1#4.2
Board_4-Net-(J1-DN1): J1#2.A7 J1#2.B7 U3#2.4
Board_4-Net-(J1-DP1): J1#2.A6 J1#2.B6 U3#2.6
Board_4-Net-(U4-VI): C14#5.1 C15#6.1 L3#4.2 U4.3
Board_4-unconnected-(J1-SBU1-PadA8): J1#2.A8
Board_4-unconnected-(J1-SBU2-PadB8): J1#2.B8
Board_4-unconnected-(U1-SPICLK-Pad22): U1#3.22
Board_4-unconnected-(U1-SPICS0-Pad21): U1#3.21
Board_4-unconnected-(U1-SPID-Pad23): U1#3.23
Board_4-unconnected-(U1-SPIHD-Pad19): U1#3.19
Board_4-unconnected-(U1-SPIQ-Pad24): U1#3.24
Board_4-unconnected-(U1-SPIWP-Pad20): U1#3.20
Board_4-unconnected-(U1-XTAL_32K_N-Pad5): U1#3.5
Board_4-unconnected-(U1-XTAL_32K_P-Pad4): U1#3.4
Board_5-+3.3V: C2#2.1 C3#6.1 C5#3.1 C6#2.1 C7#4.1 C8#5.1 L1#6.1 U1#4.11 U1#4.17 U1#4.31 U1#4.32
Board_5-+3V3: C16#5.1 D1#4.2 J2#6.2 R3#6.1 R4#6.1 R6#5.2 R7#2.2 U4#4.2
Board_5-/BOOTSEL: BOOT#6.1 C18#4.1 R4#6.2 U1#4.15
Board_5-/CHIP_EN: C17#3.1 R3#6.2 RESET#2.1 U1#4.7
Board_5-/GP2: R7#2.1 U1#4.6
Board_5-/GP8: R6#5.1 U1#4.14
Board_5-/LED_A: D2#2.2 U1#4.8
Board_5-/LED_B: D3#6.2 U1#4.16
Board_5-/LNA_IN: C12.1 L2#6.1 U1#4.1
Board_5-/MTCK: J2#6.5 U1#4.12
Board_5-/MTDI: J2#6.4 U1#4.10
Board_5-/MTDO: J2#6.6 U1#4.13
Board_5-/MTMS: J2#6.3 U1#4.9
Board_5-/U0RXD: J2#6.8 U1#4.27
Board_5-/U0TXD: J2#6.7 U1#4.28
Board_5-/USB_DN: U1#4.25 U3#6.3
Board_5-/USB_DP: U1#4.26 U3#6.1
Board_5-/XTAL_N: C9.1 U1#4.29 Y1#4.1
Board_5-/XTAL_P: R5#2.1 U1#4.30
Board_5-GND: 2.4GHz#6.2 BOOT#6.2 C1#6.2 C2#2.2 C3#6.2 C4#3.2 C5#3.2 C6#2.2 C7#4.2 C8#5.2 C9.2 C10#5.2 C11#2.2 C12.2 C13#2.2 C14#2.2 C15#5.2 C16#5.2 C17#3.2 C18#4.2 J1#5.1 J1#5.2 J1#5.3 J1#5.4 J1#5.A1B12 J1#5.B1A12 J2#6.1 R1#5.1 R2#4.2 R8#5.2 R9#5.2 R10.2 RESET#2.2 U1#4.33 U3#6.2 U4#4.1 Y1#4.2 Y1#4.4
Board_5-Net-(AE1-FEED): 2.4GHz#6.1 C11#2.1 L2#6.2
Board_5-Net-(C1-Pad1): C1#6.1 L1#6.2 U1#4.2 U1#4.3
Board_5-Net-(C10-Pad1): C10#5.1 R5#2.2 Y1#4.3
Board_5-Net-(D1-K): D1#4.1 R8#5.1
Board_5-Net-(D2-K): D2#2.1 R9#5.1
Board_5-Net-(D3-K): D3#6.1 R10.1
Board_5-Net-(J1-CC1): J1#5.A5 R2#4.1
Board_5-Net-(J1-CC2): J1#5.B5 R1#5.2
Board_5-Net-(J1-DN1): J1#5.A7 J1#5.B7 U3#6.4
Board_5-Net-(J1-DP1): J1#5.A6 J1#5.B6 U3#6.6
Board_5-Net-(U4-VI): C14#2.1 C15#5.1 L3.2 U4#4.3
Board_5-unconnected-(J1-SBU1-PadA8): J1#5.A8
Board_5-unconnected-(J1-SBU2-PadB8): J1#5.B8
Board_5-unconnected-(U1-SPICLK-Pad22): U1#4.22
Board_5-unconnected-(U1-SPICS0-Pad21): U1#4.21
Board_5-unconnected-(U1-SPID-Pad23): U1#4.23
Board_5-unconnected-(U1-SPIHD-Pad19): U1#4.19
Board_5-unconnected-(U1-SPIQ-Pad24): U1#4.24
Board_5-unconnected-(U1-SPIWP-Pad20): U1#4.20
Board_5-unconnected-(U1-XTAL_32K_N-Pad5): U1#4.5
Board_5-unconnected-(U1-XTAL_32K_P-Pad4): U1#4.4

## Via types
v1: diameter 0.6, hole 0.3, Top to Bottom, 486 vias

## Routing (per net, layer and track width the routed paths; a pad name or vN(x,y) marks a point on that pad's centre or on a via; arc(x,y) is an arc through that point)
Board_0-/VBUS: length 40.6
  Top w0.4: C13#3.1 66.5,145.47 L3#2.1 ; J1#4.B4A9 47.9,135.69 v1(48.07,135.86) ; L3#2.1 66.47,145.54 ; L3#2.1 67.25,145.5 67.5,145.25 67.5,141.9 66.93,141.33 66.93,139.43 66.75,139.25 U3.5 v1(49.75,139.25) ; v1(47,139.5) 45.38,139.5 43.1,137.22 J1#4.A4B9
  Bottom w0.4: v1(48.07,135.86) 49,136.79 49,138.5 v1(49.75,139.25) 49.5,139.5 v1(47,139.5)
Board_0-/VDD_SPI: length 2.7
  Top w0.2: U1#6.18 78.44,143.87 78.44,145.06 C4#6.1
Board_1-/VBUS: length 40.6
  Top w0.4: v1(144.75,139.25) U3#3.5 161.75,139.25 161.93,139.43 161.93,141.33 162.5,141.9 162.5,145.25 162.25,145.5 L3#6.1 ; L3#6.1 161.47,145.54 ; L3#6.1 161.5,145.47 C13#4.1 ; v1(142,139.5) 140.38,139.5 138.1,137.22 J1#6.A4B9 ; v1(143.07,135.86) 142.9,135.69 J1#6.B4A9
  Bottom w0.4: v1(143.07,135.86) 144,136.79 144,138.5 v1(144.75,139.25) 144.5,139.5 v1(142,139.5)
Board_1-/VDD_SPI: length 2.7
  Top w0.2: C4#2.1 173.44,145.06 173.44,143.87 U1#5.18
Board_2-/VBUS: length 40.6
  Top w0.4: v1(49.75,80.25) U3#4.5 66.75,80.25 66.93,80.43 66.93,82.33 67.5,82.9 67.5,86.25 67.25,86.5 L3#3.1 ; v1(47,80.5) 45.38,80.5 43.1,78.22 J1.A4B9 ; v1(48.07,76.86) 47.9,76.69 J1.B4A9 ; L3#3.1 66.5,86.47 C13.1 ; L3#3.1 66.47,86.54
  Bottom w0.4: v1(47,80.5) 49.5,80.5 v1(49.75,80.25) 49,79.5 49,77.79 v1(48.07,76.86)
